# Altium PCB RockerBox_1_SiC780A_Rev01.PcbDoc (part 4 of 5) (continued)
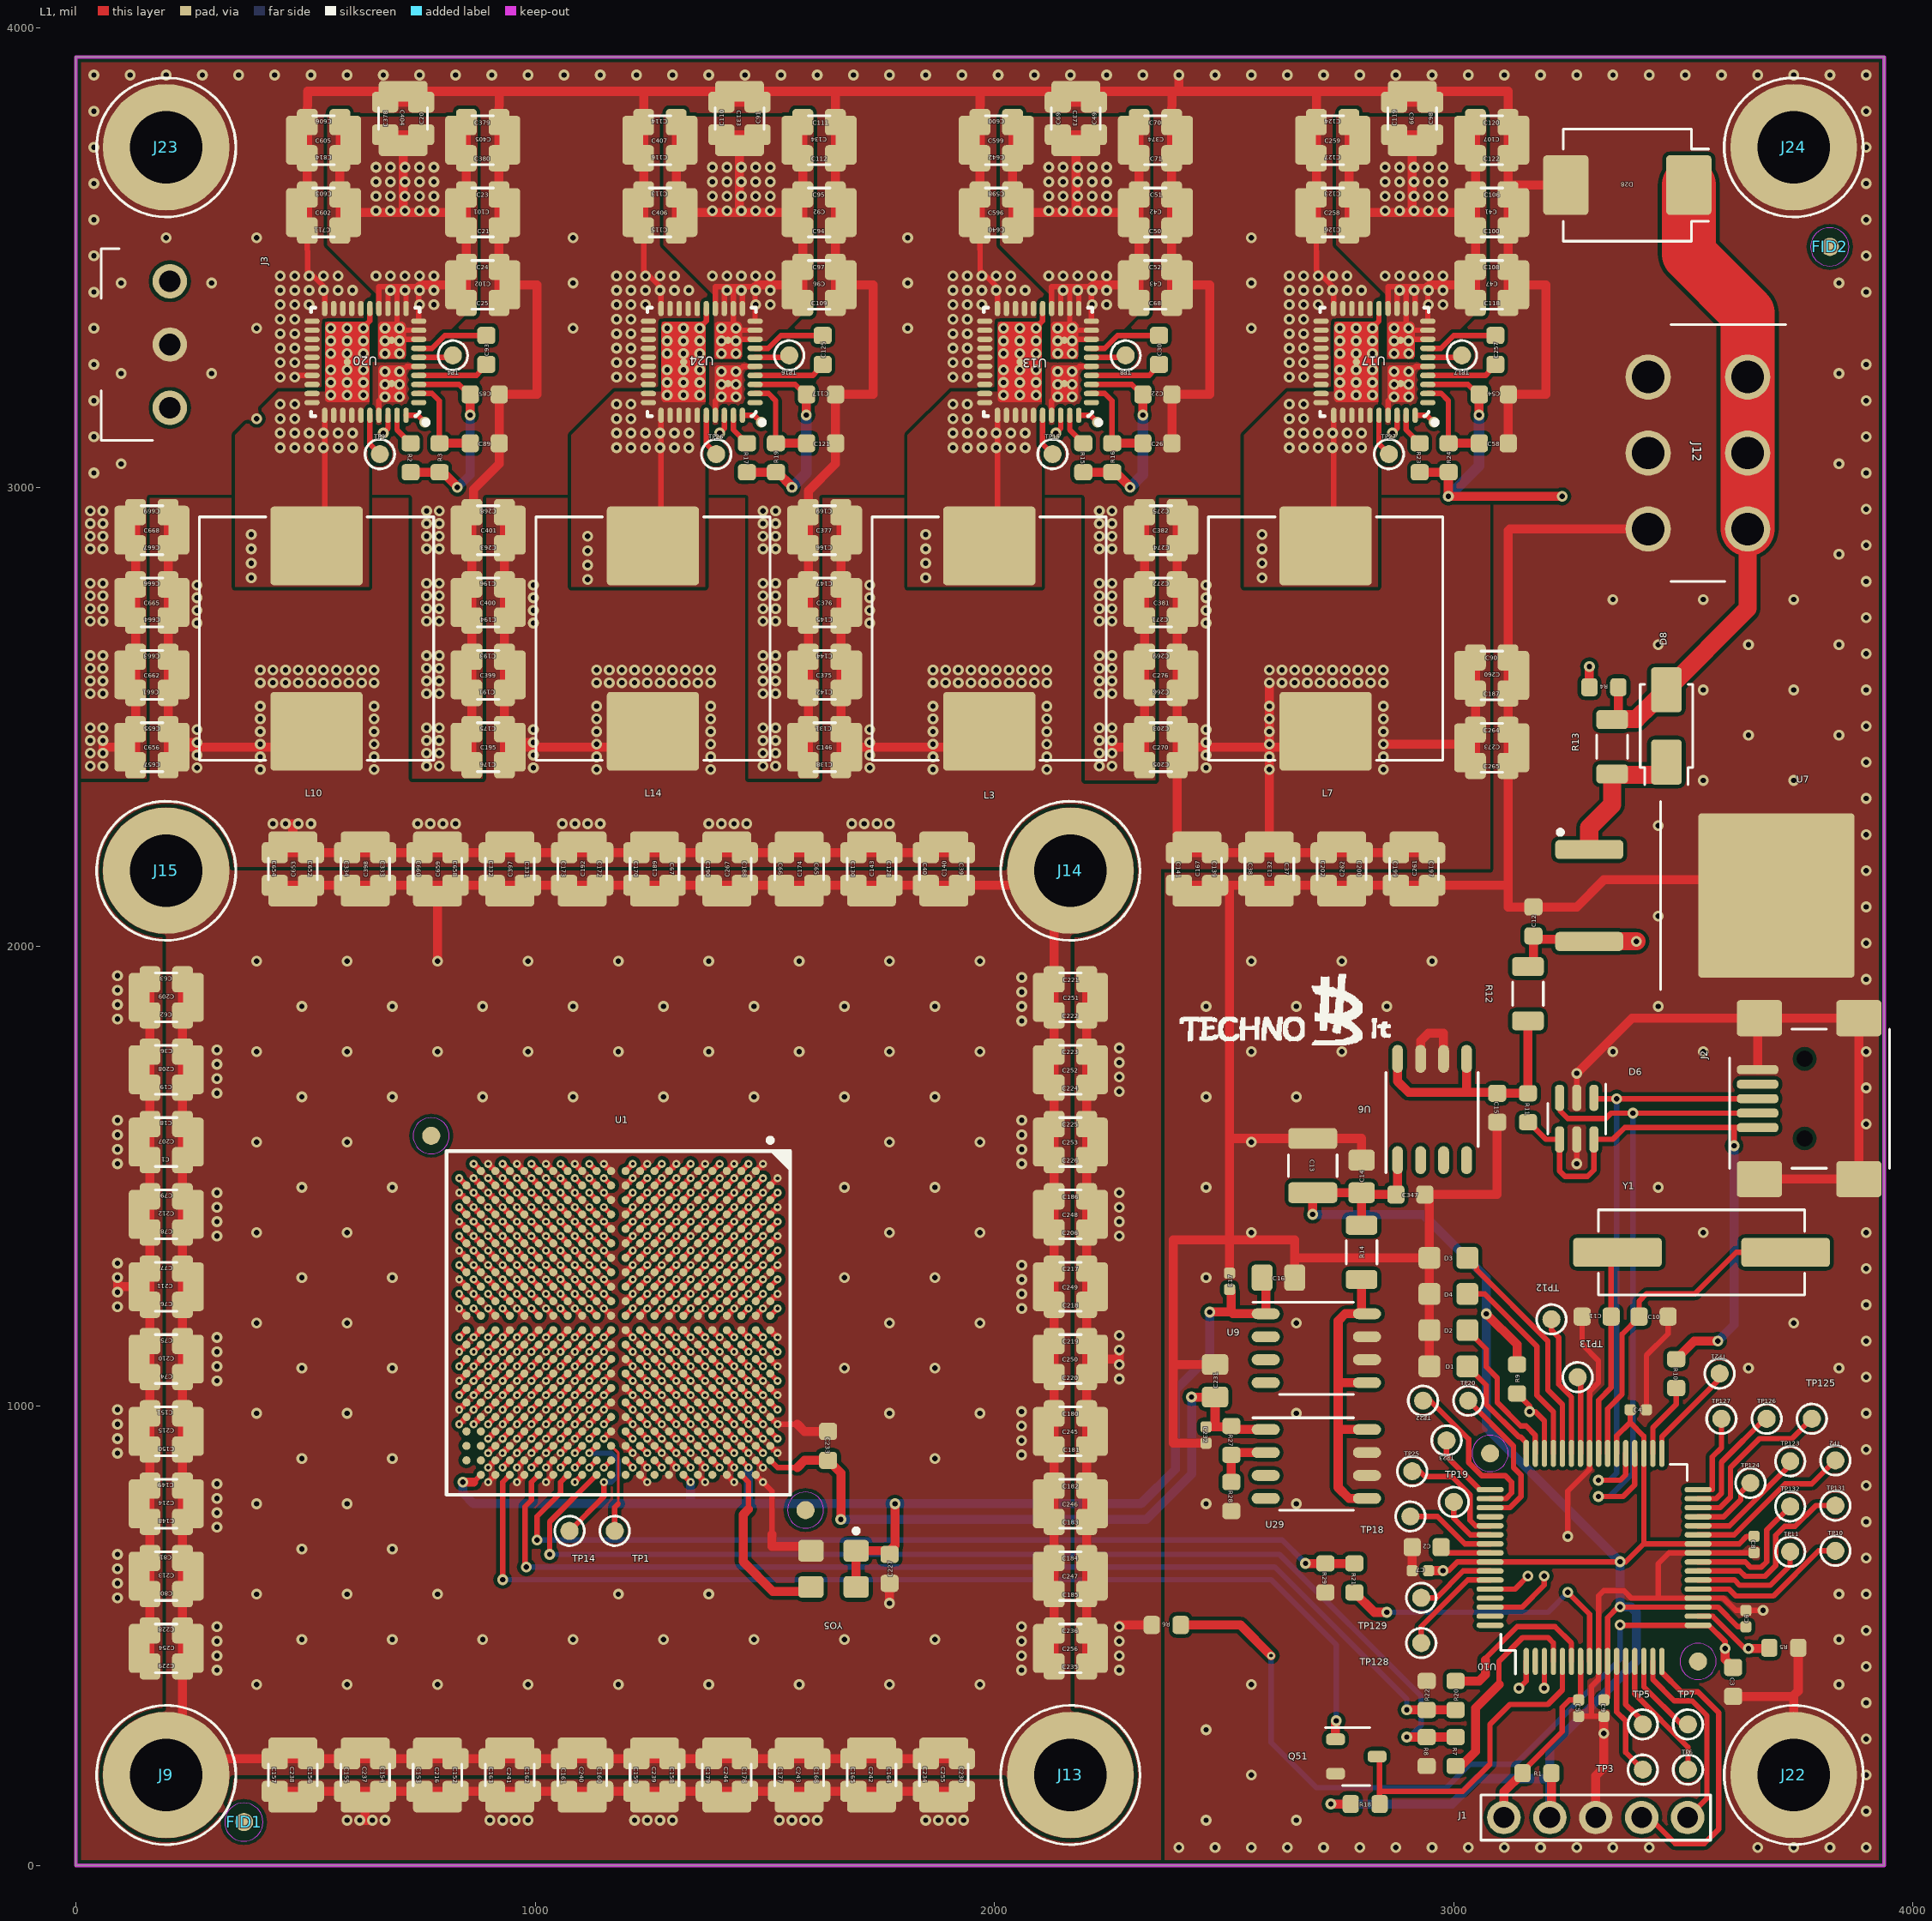
[diagram p0: L1 view]
## Nets (pads, with @x,y where several pads share a name; then routed paths per layer and width w, separated by ;. In a path a pad name is that pad's centre, name@x,y a point inside that pad or via, vN(x,y) a via of type N, cw(c..) or ccw(c..) an arc to the next point about the centre after c; other vN are vias at no path point) (continued)
  L1 w19.68: v1(59.06,2421.26) 59.06,2434.44 ; v1(59.06,2448.82) 59.06,2434.44 ; C662.1@106.43,2591.92 130.05,2591.92 ; C665.1@106.43,2749.4 130.05,2749.4 ; C668.1@106.43,2906.88 130.05,2906.88 ; C657.2@130.05,2395.07 130.05,2434.44 ; C669.2@130.05,2946.25 130.05,2906.88 ; J9.1@196.85,196.85 J9.1@232.28,232.28 ; C63.1@232.28,1929.13 232.28,1889.76 ; C254.1@255.91,472.44 232.28,472.44 ; C213.1@255.91,629.92 232.28,629.92 ; C214.1@255.91,787.4 232.28,787.4 ; C215.1@255.91,944.88 232.28,944.88 ; C210.1@255.91,1102.36 232.28,1102.36 ; C211.1@255.91,1259.84 232.28,1259.84 ; C212.1@255.91,1417.32 232.28,1417.32 ; C207.1@255.91,1574.8 232.28,1574.8 ; C208.1@255.91,1732.28 232.28,1732.28 ; C209.1@255.91,1889.76 232.28,1889.76 ; C654.2@433.07,2133.86 472.44,2133.86 ; C238.1@472.44,255.91 472.44,232.28 ; C653.1@472.44,2110.24 472.44,2133.86 ; C602.1@480.31,3598.43 504.39,3599.99 ; C605.1@480.31,3755.91 504.39,3757.47 ; C711.2@503.94,3559.06 504.37,3598.16 504.39,3599.99 ; C237.1@629.92,255.91 629.92,232.28 ; C398.1@629.92,2110.24 629.92,2133.86 ; C378.2@673.23,3838.58 712.6,3838.58 ; C20.2@751.97,3838.58 712.6,3838.58 ; C216.1@787.4,255.91 787.4,232.28 ; v1(787.4,1968.5) C659.1@787.4,2110.24 787.4,2133.86 ; C195.1@838.71,2434.44 862.33,2434.44 ; C399.1@838.71,2591.92 862.33,2591.92 ; C400.1@838.71,2749.4 862.33,2749.4 ; C401.1@838.71,2906.88 862.33,2906.88 ; C176.2@862.33,2395.07 862.33,2434.44 ; C25.2@921.26,3401.57 921.26,3440.94 ; C241.1@944.88,255.91 944.88,232.28 ; C397.1@944.88,2110.24 944.88,2133.86 ; C101.1@944.88,3598.43 921.26,3598.43 ; C405.1@944.88,3755.91 921.26,3755.91 ; C240.1@1102.36,255.91 1102.36,232.28 ; C192.1@1102.36,2110.24 1102.36,2133.86 ; C406.1@1212.6,3598.43 1236.67,3599.99 ; C407.1@1212.6,3755.91 1236.67,3757.47 ; C115.2@1236.22,3559.06 1236.65,3598.16 1236.67,3599.99 ; 1236.57,3862.2 C133.1@1444.88,3862.2 ; C239.1@1259.84,255.91 1259.84,232.28 ; C189.1@1259.84,2110.24 1259.84,2133.86 ; C110.2@1405.51,3838.58 1444.88,3838.58 ; C244.1@1417.32,255.91 1417.32,232.28 ; C267.1@1417.32,2110.24 1417.32,2133.86 ; C91.2@1484.25,3838.58 1444.88,3838.58 ; 1515.75,720.47 1515.75,694.88 1592.52,694.88 1592.52,692.91 YO5.2@1600.39,685.04 ; C146.1@1570.99,2434.44 1594.61,2434.44 ; C375.1@1570.99,2591.92 1594.61,2591.92 ; C376.1@1570.99,2749.4 1594.61,2749.4 ; C377.1@1570.99,2906.88 1594.61,2906.88 ; 1571.06,960.63 1586.81,944.88 C233.1@1637.8,944.88 ; C243.1@1574.8,255.91 1574.8,232.28 ; C174.1@1574.8,2110.24 1574.8,2133.86 ; C138.2@1594.61,2395.07 1594.61,2434.44 ; C109.2@1653.54,3401.57 1653.54,3440.94 ; C92.1@1677.17,3598.43 1653.54,3598.43 ; C134.1@1677.17,3755.91 1653.54,3755.91 ; C242.1@1732.28,255.91 1732.28,232.28 ; C143.1@1732.28,2110.24 1732.28,2133.86 ; v1(1771.65,570.87) C227.1@1771.65,614.17 ; C255.1@1889.76,255.91 1889.76,232.28 ; C140.1@1889.76,2110.24 1889.76,2133.86 ; C230.1@1929.13,232.28 1889.76,232.28 ; C596.1@1944.88,3598.43 1968.96,3599.99 ; C599.1@1944.88,3755.91 1968.96,3757.47 ; C640.2@1968.5,3559.06 1968.93,3598.16 1968.96,3599.99 ; 1968.85,3862.17 C600.2@1968.5,3795.28 1968.96,3757.47 ; C256.1@2106.3,472.44 2129.92,472.44 ; C247.1@2106.3,629.92 2129.92,629.92 ; C246.1@2106.3,787.4 2129.92,787.4 ; C245.1@2106.3,944.88 2129.92,944.88 ; C250.1@2106.3,1102.36 2129.92,1102.36 ; C249.1@2106.3,1259.84 2129.92,1259.84 ; C248.1@2106.3,1417.32 2129.92,1417.32 ; C253.1@2106.3,1574.8 2129.92,1574.8 ; C252.1@2106.3,1732.28 2129.92,1732.28 ; C251.1@2106.3,1889.76 2129.92,1889.76 ; C235.1@2129.92,433.07 2129.92,472.44 ; C69.2@2137.8,3838.58 2177.17,3838.58 ; J14.1@2165.35,2165.35 2161.42,2165.35 J14.1@2129.92,2133.86 ; C49.2@2216.54,3838.58 2177.17,3838.58 ; v1(2255.91,2421.26) 2255.91,2434.44 ; v1(2255.91,2448.82) 2255.91,2434.44 ; C276.1@2303.28,2591.92 2326.9,2591.92 ; C381.1@2303.28,2749.4 2326.9,2749.4 ; C382.1@2303.28,2906.88 2326.9,2906.88 ; C205.2@2326.9,2395.07 2326.9,2434.44 ; C275.2@2326.9,2946.25 2326.9,2906.88 ; C68.2@2385.83,3401.57 2385.83,3440.94 ; C26.2@2386.28,3096.05 C22.1@2386.28,3202.35 2468.5,3202.35 2468.5,3440.94 C43.1@2409.45,3440.94 2385.83,3440.94 ; C141.2@2401.57,2133.77 2440.94,2133.77 ; v1(2401.57,3897.64) 2401.57,3862.2 ; C42.1@2409.45,3598.43 2385.83,3598.43 ; C374.1@2409.45,3755.91 2385.83,3755.91 ; C167.1@2440.94,2110.15 2440.94,2133.77 ; C232.2@2460.63,919.29 2389.76,919.29 2389.76,1090.55 ; C231.2@2480.31,1090.55 2389.76,1090.55 ; C17.2@2511.81,1289.37 2511.81,1362.2 ; C132.1@2598.42,2110.15 2598.42,2133.77 ; C16.2@2653.54,1279.53 2653.54,1322.83 ; C258.1@2677.17,3598.43 2701.24,3599.99 ; C259.1@2677.17,3755.91 2701.24,3757.47 ; C126.2@2700.79,3559.06 2701.22,3598.16 2701.24,3599.99 ; C262.1@2755.91,2110.24 2755.91,2133.86 ; C14.2@2799.21,1535.43 2799.21,1582.68 2511.81,1582.68 ; C119.2@2870.08,3838.58 2909.45,3838.58 ; C7.2@2909.45,641.73 C2.2@2909.45,692.91 ; C261.1@2913.39,2110.24 2913.39,2133.86 ; U6.7@2927.76,1755.91 2927.76,1795.08 2944.88,1812.2 2977.76,1812.2 U6.6@2977.76,1755.91 ; C347.2@2937.01,1460.63 C347.2@2946.85,1460.63 ; D1.1@2946.85,1086.61 D2.1@2946.85,1165.35 D4.1@2946.85,1244.09 D3.1@2946.85,1322.83 ; C98.2@2948.82,3838.58 2909.45,3838.58 ; C15.2@3094.49,1618.11 3094.49,1460.63 C347.2@2946.85,1460.63 ; C118.2@3118.11,3401.57 3118.11,3440.94 ; C58.2@3118.56,3096.05 C54.1@3118.56,3202.35 3200.79,3202.35 3200.79,3440.94 C47.1@3141.73,3440.94 3118.11,3440.94 ; C273.1@3141.73,2433.07 3118.11,2433.07 ; C260.1@3141.73,2590.55 3118.11,2590.55 ; C41.1@3141.73,3598.43 3118.11,3598.43 ; C107.1@3141.73,3755.91 3118.11,3755.91 ; D28.2@3243.98,3658.13 C106.2@3118.11,3658.13 ; v1(3267.72,1724.41) 3387.8,1844.49 J2.6@3661.42,1844.49 ; J1.3@3309.06,104.33 3309.06,194.88 3326.77,212.6 v1(3326.77,287.4) C9.2@3326.77,324.8 ; J12.6@3423.23,2909.45 3122.05,2909.45 3118.11,2905.51 C90.2@3118.11,2629.92 3118.11,2590.55 ; C3.2@3608.27,368.11 3740.16,368.11 ; J2.5@3661.42,1732.28 J2.6@3661.42,1844.49 ; J2.9@3665.35,1494.09 J2.8@3881.89,1494.09 J2.7@3881.89,1844.49 J2.6@3665.35,1844.49 J2.6@3661.42,1844.49 ; U7.4@3702.32,2111.54 3702.32,2145.67 3326.97,2145.67 3267.91,2086.61 C12.2@3173.43,2086.61 3118.11,2086.61 3118.11,2133.86 ; J22.1@3740.16,196.85 3740.16,368.11 ; R5.1@3749.85,473.87 3749.85,379.92 3740.16,370.23 3740.16,368.11 ; 59.06,2434.44 C656.1@106.43,2434.44 130.05,2434.44 ; 130.05,2434.44 C655.2@130.05,2473.81 C661.2@130.05,2552.55 130.05,2591.92 ; 130.05,2591.92 C663.2@130.05,2631.29 C664.2@130.05,2710.03 130.05,2749.4 ; 130.05,2749.4 C666.2@130.05,2788.77 C667.2@130.05,2867.51 130.05,2906.88 ; J9.1@232.28,232.28 232.28,472.44 ; J9.1@232.28,232.28 C157.1@433.07,232.28 472.44,232.28 ; 232.28,472.44 232.28,629.92 ; 232.28,629.92 232.28,787.4 ; 232.28,787.4 232.28,944.88 ; 232.28,944.88 232.28,1102.36 ; 232.28,1102.36 232.28,1259.84 ; 232.28,1259.84 232.28,1417.32 ; 232.28,1417.32 232.28,1574.8 ; 232.28,1574.8 232.28,1732.28 ; 232.28,1732.28 232.28,1889.76 ; 472.44,232.28 C156.1@511.81,232.28 C155.1@590.55,232.28 629.92,232.28 ; 472.44,2133.86 629.92,2133.86 ; 504.39,3599.99 C603.2@503.94,3637.8 C814.2@503.94,3716.54 504.37,3755.64 504.39,3757.47 ; 504.39,3757.47 C606.2@503.94,3795.28 504.28,3862.2 C404.1@712.6,3862.2 ; 629.92,232.28 C154.1@669.29,232.28 C153.1@748.03,232.28 787.4,232.28 ; 629.92,2133.86 787.4,2133.86 ; 712.6,3838.58 C404.1@712.6,3862.2 ; C404.1@712.6,3862.2 921.26,3862.2 921.6,3862.2 ; 787.4,232.28 C152.1@826.77,232.28 C163.1@905.51,232.28 944.88,232.28 ; 787.4,2133.86 944.88,2133.86 ; 862.33,2434.44 C175.2@862.33,2473.81 C191.2@862.33,2552.55 862.33,2591.92 ; 862.33,2591.92 C193.2@862.33,2631.29 C194.2@862.33,2710.03 862.33,2749.4 ; 862.33,2749.4 C196.2@862.33,2788.77 C263.2@862.33,2867.51 862.33,2906.88 ; 862.33,2906.88 C268.2@862.33,2946.25 866.14,2950.06 866.14,2995.61 921.71,3051.18 C89.2@921.71,3096.05 C85.1@921.71,3202.35 1003.94,3202.35 1003.94,3440.94 C102.1@944.88,3440.94 921.26,3440.94 ; 921.26,3440.94 921.26,3598.43 ; 921.26,3598.43 921.26,3755.91 ; 921.26,3755.91 C379.2@921.26,3795.28 921.6,3862.2 ; 921.6,3862.2 1236.56,3862.2 C114.2@1236.22,3795.28 1236.67,3757.47 ; 944.88,232.28 C162.1@984.25,232.28 C161.1@1062.99,232.28 1102.36,232.28 ; 944.88,2133.86 1102.36,2133.86 ; 1102.36,232.28 C160.1@1141.73,232.28 C159.1@1220.47,232.28 1259.84,232.28 ; 1102.36,2133.86 1259.84,2133.86 ; 1236.67,3599.99 C113.2@1236.22,3637.8 C116.2@1236.22,3716.54 1236.65,3755.64 1236.67,3757.47 ; 1259.84,232.28 C158.1@1299.21,232.28 C179.1@1377.95,232.28 1417.32,232.28 ; 1259.84,2133.86 1417.32,2133.86 ; 1417.32,232.28 C178.1@1456.69,232.28 C177.1@1535.43,232.28 1574.8,232.28 ; 1417.32,2133.86 1574.8,2133.86 ; 1444.88,3838.58 C133.1@1444.88,3862.2 ; C133.1@1444.88,3862.2 1653.54,3862.2 1653.89,3862.2 ; 1574.8,232.28 C168.1@1614.17,232.28 C165.1@1692.91,232.28 1732.28,232.28 ; 1574.8,2133.86 1732.28,2133.86 ; 1594.61,2434.44 C142.2@1594.61,2552.55 1594.61,2591.92 ; 1594.61,2591.92 1594.61,2749.4 ; 1594.61,2749.4 1594.61,2906.88 ; 1594.61,2906.88 1594.61,2992.25 1653.67,3051.31 1653.67,3095.73 C121.2@1653.99,3096.05 C117.1@1653.99,3202.35 1736.22,3202.35 1736.22,3440.94 C96.1@1677.17,3440.94 1653.54,3440.94 ; 1653.54,3440.94 C97.2@1653.54,3480.31 C94.2@1653.54,3559.06 1653.54,3598.43 ; 1653.54,3598.43 C95.2@1653.54,3637.8 C112.2@1653.54,3716.54 1653.54,3755.91 ; 1653.54,3755.91 C111.2@1653.54,3795.28 1653.89,3862.2 ; 1653.89,3862.2 1968.82,3862.2 C373.1@2177.17,3862.2 ; 1732.28,232.28 C164.1@1771.65,232.28 C234.1@1850.39,232.28 1889.76,232.28 ; 1732.28,2133.86 1889.76,2133.86 ; 1889.76,2133.86 J14.1@2129.92,2133.86 ; 1968.96,3599.99 C598.2@1968.5,3637.8 C642.2@1968.5,3716.54 1968.93,3755.64 1968.96,3757.47 ; 2129.92,472.44 C236.1@2129.92,511.81 C185.1@2129.92,590.55 2129.92,629.92 ; 2129.92,629.92 C184.1@2129.92,669.29 C183.1@2129.92,748.03 2129.92,787.4 ; 2129.92,787.4 C182.1@2129.92,826.77 C181.1@2129.92,905.51 2129.92,944.88 ; 2129.92,944.88 C180.1@2129.92,984.25 C220.1@2129.92,1062.99 2129.92,1102.36 ; 2129.92,1102.36 C219.1@2129.92,1141.73 C218.1@2129.92,1220.47 2129.92,1259.84 ; 2129.92,1259.84 C217.1@2129.92,1299.21 C206.1@2129.92,1377.95 2129.92,1417.32 ; 2129.92,1417.32 C186.1@2129.92,1456.69 C226.1@2129.92,1535.43 2129.92,1574.8 ; 2129.92,1574.8 C225.1@2129.92,1614.17 C224.1@2129.92,1692.91 2129.92,1732.28 ; 2129.92,1732.28 C223.1@2129.92,1771.65 C222.1@2129.92,1850.39 2129.92,1889.76 ; 2129.92,1889.76 C221.1@2129.92,1929.13 J14.1@2129.92,2133.86 ; 2177.17,3838.58 C373.1@2177.17,3862.2 ; C373.1@2177.17,3862.2 2385.83,3862.2 2386.17,3862.2 ; 2255.91,2434.44 C270.1@2303.28,2434.44 2326.9,2434.44 ; 2326.9,2434.44 C203.2@2326.9,2473.81 C266.2@2326.9,2552.55 2326.9,2591.92 ; 2326.9,2591.92 C269.2@2326.9,2631.29 C271.2@2326.9,2710.03 2326.9,2749.4 ; 2326.9,2749.4 C272.2@2326.9,2788.77 C274.2@2326.9,2867.51 2326.9,2906.88 ; 2385.83,3440.94 C52.2@2385.83,3480.31 C50.2@2385.83,3559.06 2385.83,3598.43 ; 2385.83,3598.43 C51.2@2385.83,3637.8 C71.2@2385.83,3716.54 2385.83,3755.91 ; 2385.83,3755.91 C70.2@2385.83,3795.28 2386.17,3862.2 ; 2386.17,3862.2 2401.57,3862.2 ; 2389.76,1090.55 2389.76,1362.2 2511.81,1362.2 ; 2401.57,3862.2 2701.13,3862.2 ; 2440.94,2133.77 C139.2@2480.31,2133.77 2511.81,2133.77 ; 2511.81,1362.2 2653.54,1362.2 2653.54,1322.83 ; 2511.81,1362.2 2511.81,1582.68 ; 2511.81,1582.68 2511.81,2133.77 ; 2511.81,2133.77 C38.2@2559.05,2133.77 2598.42,2133.77 ; 2598.42,2133.77 C37.2@2637.79,2133.77 2716.45,2133.77 C202.2@2716.54,2133.86 2755.91,2133.86 ; 2653.54,1322.83 D3.1@2946.85,1322.83 ; 2701.14,3862.2 C99.1@2909.45,3862.2 ; 2701.13,3862.2 C124.2@2700.79,3795.28 2701.24,3757.47 ; 2701.24,3599.99 C123.2@2700.79,3637.8 C127.2@2700.79,3716.54 2701.22,3755.64 2701.24,3757.47 ; 2755.91,2133.86 2913.39,2133.86 ; 2909.45,3838.58 C99.1@2909.45,3862.2 ; C99.1@2909.45,3862.2 3118.11,3862.2 3118.45,3862.2 C120.2@3118.11,3795.28 3118.11,3755.91 ; 2913.39,2133.86 3118.11,2133.86 ; D3.1@2946.85,1322.83 C347.2@2946.85,1460.63 ; 3118.11,2133.86 C265.2@3118.11,2393.7 3118.11,2433.07 ; 3118.11,2433.07 C264.2@3118.11,2472.44 C187.2@3118.11,2551.18 3118.11,2590.55 ; 3118.11,3440.94 C108.2@3118.11,3480.31 C100.2@3118.11,3559.06 3118.11,3598.43 ; 3118.11,3598.43 C106.2@3118.11,3637.8 C106.2@3118.11,3658.13 ; C106.2@3118.11,3658.13 C122.2@3118.11,3716.54 3118.11,3755.91
  other v1: 2401.57,39.37 2480.31,39.37 2559.06,39.37 2637.8,39.37 2716.54,39.37 2795.28,39.37 2874.02,39.37 2952.76,39.37 3031.5,39.37 3110.24,39.37 3188.98,39.37 3267.72,39.37 3346.46,39.37 3425.2,39.37 3661.42,39.37 3740.16,39.37 3818.9,39.37 3897.64,39.37 2460.63,98.43 2657.48,98.43 3897.64,118.11 2559.06,196.85 3897.64,196.85 3897.64,275.59 2460.63,295.28 3897.64,354.33 393.7,393.7 590.55,393.7 787.4,393.7 984.25,393.7 1181.1,393.7 1377.95,393.7 1574.8,393.7 1771.65,393.7 1968.5,393.7 2559.06,393.7 3838.58,393.7 307.09,425.2 2059.06,425.2 3897.64,433.07 307.09,456.69 2059.06,456.69 307.09,488.19 2059.06,488.19 492.13,492.13 688.98,492.13 885.83,492.13 1082.68,492.13 1279.53,492.13 1476.38,492.13 1673.23,492.13 1870.08,492.13 3838.58,492.13 3897.64,511.81 307.09,519.69 2059.06,519.69 393.7,590.55 590.55,590.55 787.4,590.55 1181.1,590.55 1377.95,590.55 3838.58,590.55 3897.64,590.55 3897.64,669.29 492.13,688.98 688.98,688.98 307.09,736.22 3897.64,748.03 307.09,767.72 393.7,787.4 590.55,787.4 2460.63,787.4 2657.48,787.4 307.09,799.21 3897.64,826.77 307.09,830.71 492.13,885.83 688.98,885.83 1870.08,885.83 2059.06,893.7 3897.64,905.51 2059.06,925.2 2059.06,956.69 393.7,984.25 590.55,984.25 1771.65,984.25 1968.5,984.25 2657.48,984.25 3897.64,984.25 2059.06,988.19 307.28,1055.12 3897.64,1062.99 492.13,1082.68 688.98,1082.68 1673.23,1082.68 1870.08,1082.68 3641.73,1082.68 3838.58,1082.68 307.28,1086.61 307.28,1118.11 3897.64,1141.73 307.28,1149.61 393.7,1181.1 590.55,1181.1 1771.65,1181.1 1968.5,1181.1 2657.48,1181.1 3740.16,1181.1 2059.25,1212.6 3897.64,1220.47 2059.25,1244.09 2059.25,1275.59 492.13,1279.53 688.98,1279.53 1673.23,1279.53 1870.08,1279.53 2460.63,1279.53 3897.64,1299.21 2059.25,1307.09 307.28,1370.08 393.7,1377.95 590.55,1377.95 1771.65,1377.95 1968.5,1377.95 2559.06,1377.95 3543.31,1377.95 3897.64,1377.95 307.28,1401.57 307.28,1433.07 307.28,1464.57 492.13,1476.38 688.98,1476.38 1673.23,1476.38 1870.08,1476.38 2460.63,1476.38 3444.88,1476.38 2059.25,1527.56 2059.25,1559.06 393.7,1574.8 590.55,1574.8 1771.65,1574.8 1968.5,1574.8 2559.06,1574.8 2059.25,1590.55 3897.64,1614.17 2059.25,1622.05 492.13,1673.23 688.98,1673.23 885.83,1673.23 1082.68,1673.23 1279.53,1673.23 1476.38,1673.23 1673.23,1673.23 1870.08,1673.23 2460.63,1673.23 2657.48,1673.23 307.28,1681.1 3897.64,1692.91 307.28,1712.6 307.28,1744.09 393.7,1771.65 590.55,1771.65 787.4,1771.65 984.25,1771.65 1181.1,1771.65 1377.95,1771.65 1574.8,1771.65 1771.65,1771.65 1968.5,1771.65 2559.06,1771.65 2755.91,1771.65 3346.46,1771.65 3543.31,1771.65 3897.64,1771.65 307.28,1775.59 2059.25,1838.58 492.13,1870.08 688.98,1870.08 885.83,1870.08 1082.68,1870.08 1279.53,1870.08 1476.38,1870.08 1673.23,1870.08 1870.08,1870.08 2059.25,1870.08 2460.63,1870.08 2657.48,1870.08 2854.33,1870.08 3444.88,1870.08 2059.25,1901.57 3897.64,1929.13 2059.25,1933.07 393.7,1968.5 590.55,1968.5 984.25,1968.5 1181.1,1968.5 1377.95,1968.5 1574.8,1968.5 1771.65,1968.5 1968.5,1968.5 2559.06,1968.5 2755.91,1968.5 2952.76,1968.5 3897.64,2007.87 3444.88,2066.93 3897.64,2086.61 3897.64,2165.35 3897.64,2244.09 3444.88,2263.78 3897.64,2322.83 3543.31,2362.2 3740.16,2362.2 31.5,2393.7 59.06,2393.7 763.78,2393.7 791.34,2393.7 1496.06,2393.7 1523.62,2393.7 2228.35,2393.7 2255.91,2393.7 3897.64,2401.57 31.5,2421.26 763.78,2421.26 791.34,2421.26 1496.06,2421.26 1523.62,2421.26 2228.35,2421.26 31.5,2448.82 763.78,2448.82 791.34,2448.82 1496.06,2448.82 1523.62,2448.82 2228.35,2448.82 3641.73,2460.63 3838.58,2460.63 31.5,2476.38 59.06,2476.38 763.78,2476.38 791.34,2476.38 1496.06,2476.38 1523.62,2476.38 2228.35,2476.38 2255.91,2476.38 3897.64,2480.31 31.5,2551.18 59.06,2551.18 763.78,2551.18 791.34,2551.18 1496.06,2551.18 1523.62,2551.18 2228.35,2551.18 2255.91,2551.18 3543.31,2559.06 3740.16,2559.06 3897.64,2559.06 31.5,2578.74 59.06,2578.74 763.78,2578.74 791.34,2578.74 1496.06,2578.74 1523.62,2578.74 2228.35,2578.74 2255.91,2578.74 31.5,2606.3 59.06,2606.3 763.78,2606.3 791.34,2606.3 1496.06,2606.3 1523.62,2606.3 2228.35,2606.3 2255.91,2606.3 31.5,2633.86 59.06,2633.86 763.78,2633.86 791.34,2633.86 1496.06,2633.86 1523.62,2633.86 2228.35,2633.86 2255.91,2633.86 3897.64,2637.8 3444.88,2657.48 3641.73,2657.48 3838.58,2657.48 31.5,2708.66 59.06,2708.66 763.78,2708.66 791.34,2708.66 1496.06,2708.66 1523.62,2708.66 2228.35,2708.66 2255.91,2708.66 3897.64,2716.54 31.5,2736.22 59.06,2736.22 763.78,2736.22 791.34,2736.22 1496.06,2736.22 1523.62,2736.22 2228.35,2736.22 2255.91,2736.22 3346.46,2755.91 3543.31,2755.91 3740.16,2755.91 31.5,2763.78 59.06,2763.78 763.78,2763.78 791.34,2763.78 1496.06,2763.78 1523.62,2763.78 2228.35,2763.78 2255.91,2763.78 31.5,2791.34 59.06,2791.34 763.78,2791.34 791.34,2791.34 1496.06,2791.34 1523.62,2791.34 2228.35,2791.34 2255.91,2791.34 3897.64,2795.28 3838.58,2854.33 31.5,2866.14 59.06,2866.14 763.78,2866.14 791.34,2866.14 1496.06,2866.14 1523.62,2866.14 2228.35,2866.14 2255.91,2866.14 3897.64,2874.02 31.5,2893.7 59.06,2893.7 763.78,2893.7 791.34,2893.7 1496.06,2893.7 1523.62,2893.7 2228.35,2893.7 2255.91,2893.7 31.5,2921.26 59.06,2921.26 763.78,2921.26 791.34,2921.26 1496.06,2921.26 1523.62,2921.26 2228.35,2921.26 2255.91,2921.26 31.5,2948.82 59.06,2948.82 763.78,2948.82 791.34,2948.82 1496.06,2948.82 1523.62,2948.82 2228.35,2948.82 2255.91,2948.82 3897.64,2952.76 39.37,3031.5 3897.64,3031.5 98.43,3051.18 3838.58,3051.18 39.37,3110.24 3897.64,3110.24 393.7,3149.61 39.37,3188.98 3897.64,3188.98 673.23,3196.85 704.72,3196.85 1405.51,3196.85 1437.01,3196.85 2137.8,3196.85 2169.29,3196.85 2870.08,3196.85 2901.57,3196.85 673.23,3224.41 704.72,3224.41 1405.51,3224.41 1437.01,3224.41 2137.8,3224.41 2169.29,3224.41 2870.08,3224.41 2901.57,3224.41 444.88,3240.16 1177.17,3240.16 1208.66,3240.16 1909.45,3240.16 1940.94,3240.16 2641.73,3240.16 2673.23,3240.16 98.43,3248.03 295.28,3248.03 3838.58,3248.03 673.23,3251.97 704.72,3251.97 1405.51,3251.97 1437.01,3251.97 2137.8,3251.97 2169.29,3251.97 2870.08,3251.97 2901.57,3251.97 39.37,3267.72 3897.64,3267.72 444.88,3271.65 476.38,3271.65 1177.17,3271.65 1208.66,3271.65 1909.45,3271.65 1940.94,3271.65 2641.73,3271.65 2673.23,3271.65 444.88,3303.15 476.38,3303.15 1177.17,3303.15 1208.66,3303.15 1909.45,3303.15 1940.94,3303.15 2641.73,3303.15 2673.23,3303.15 444.88,3334.65 476.38,3334.65 1177.17,3334.65 1208.66,3334.65 1909.45,3334.65 1940.94,3334.65 2641.73,3334.65 2673.23,3334.65 39.37,3346.46 393.7,3346.46 1082.68,3346.46 1811.02,3346.46 2559.06,3346.46 444.88,3366.14 476.38,3366.14 1177.17,3366.14 1208.66,3366.14 1909.45,3366.14 1940.94,3366.14 2641.73,3366.14 2673.23,3366.14 444.88,3397.64 476.38,3397.64 507.87,3397.64 1177.17,3397.64 1208.66,3397.64 1240.16,3397.64 1909.45,3397.64 1940.94,3397.64 1972.44,3397.64 2641.73,3397.64 2673.23,3397.64 2704.72,3397.64 39.37,3425.2 3897.64,3425.2 444.88,3429.13 476.38,3429.13 507.87,3429.13 539.37,3429.13 570.87,3429.13 602.36,3429.13 1177.17,3429.13 1208.66,3429.13 1240.16,3429.13 1271.65,3429.13 1303.15,3429.13 1334.65,3429.13 1909.45,3429.13 1940.94,3429.13 1972.44,3429.13 2003.94,3429.13 2035.43,3429.13 2066.93,3429.13 2641.73,3429.13 2673.23,3429.13 2704.72,3429.13 2736.22,3429.13 2767.72,3429.13 2799.21,3429.13 98.43,3444.88 295.28,3444.88 1082.68,3444.88 1811.02,3444.88 2559.06,3444.88 3838.58,3444.88 444.88,3460.63 476.38,3460.63 507.87,3460.63 539.37,3460.63 570.87,3460.63 1177.17,3460.63 1208.66,3460.63 1240.16,3460.63 1271.65,3460.63 1303.15,3460.63 1909.45,3460.63 1940.94,3460.63 1972.44,3460.63 2003.94,3460.63 2035.43,3460.63 2641.73,3460.63 2673.23,3460.63 2704.72,3460.63 2736.22,3460.63 2767.72,3460.63 39.37,3503.94 3897.64,3503.94 196.85,3543.31 393.7,3543.31 1082.68,3543.31 1811.02,3543.31 2559.06,3543.31 39.37,3582.68 3897.64,3582.68 39.37,3661.42 3897.64,3661.42 39.37,3740.16 3897.64,3740.16 39.37,3818.9 3897.64,3818.9 39.37,3897.64 118.11,3897.64 196.85,3897.64 275.59,3897.64 354.33,3897.64 433.07,3897.64 511.81,3897.64 590.55,3897.64 669.29,3897.64 748.03,3897.64 826.77,3897.64 905.51,3897.64 984.25,3897.64 1062.99,3897.64 1141.73,3897.64 1220.47,3897.64 1299.21,3897.64 1377.95,3897.64 1456.69,3897.64 1535.43,3897.64 1614.17,3897.64 1692.91,3897.64 1771.65,3897.64 1850.39,3897.64 1929.13,3897.64 2007.87,3897.64 2086.61,3897.64 2165.35,3897.64 2244.09,3897.64 2322.83,3897.64 2480.31,3897.64 2559.06,3897.64 2637.8,3897.64 2716.54,3897.64 2795.28,3897.64 2874.02,3897.64 2952.76,3897.64 3031.5,3897.64 3110.24,3897.64 3188.98,3897.64 3267.72,3897.64 3346.46,3897.64 3425.2,3897.64 3503.94,3897.64 3582.68,3897.64 3661.42,3897.64 3740.16,3897.64 3818.9,3897.64 3897.64,3897.64
GREEN: D2.2 U10.47 | length 336.6
  L1 w11.81: D2.2@3029.53,1165.35 3038.07,1156.81 3070.87,1124.02 3070.87,1085.26 3094.49,1061.64 3094.49,1007.87 3145.67,956.69 3157.48,956.69 3177.46,936.71 U10.47@3177.46,896.97
LDO3.3V-5.0V: R14.1 U9.5 U9.8 U29.5 U29.8 | length 704.6
  L1 w19.68: R14.1@2799.21,1275.59 U9.8@2799.21,1200.98 ; U29.5@2811.02,799.03 2810.84,799.21 2771.85,799.21 2748.23,822.83 2748.23,949.02 ; U29.8@2811.02,949.02 2748.23,949.02 ; U9.5@2811.02,1051 2748.23,1051 ; U9.8@2811.02,1200.98 U9.8@2799.21,1200.98 ; 2748.23,949.02 2748.23,1051 ; 2748.23,1051 2748.23,1185.24 2763.98,1200.98 U9.8@2799.21,1200.98
LDO5.0V: C15.1 R11.1 R12.2 U6.5 U6.8 | length 573.7
  L1 w19.68: U6.8@2877.76,1755.91 2877.76,1706.89 2901.57,1683.07 3027.74,1683.07 ; U6.5@3027.74,1755.91 3027.74,1683.07 ; R12.2@3161.42,1838.58 R11.1@3161.42,1681.1 C15.1@3094.49,1681.1 3092.52,1683.07 3027.74,1683.07
LM12V: D8.1 R13.1 U7.1 | length 331.4
  L1 w39.37: U7.1@3294.84,2211.54 3294.84,2259.4 3344.79,2309.36 R13.1@3344.79,2374.02 ; R13.1@3344.79,2376.25 R13.1@3344.79,2374.02 ; D8.1@3462.93,2401.91 3462.93,2374.02 R13.1@3344.79,2374.02
"MAIN OSC IN": C10.1 U10.39 Y1.1 | length 722.7
  L1 w11.81: U10.39@3334.94,896.97 3334.94,994.39 3366.14,1025.59 3366.14,1156.5 3366.46,1156.81 3403.54,1193.9 C10.1@3403.54,1194.88 3403.54,1228.35 3419.29,1244.09 3524.59,1244.09 3615.14,1334.65 Y1.1@3722.44,1334.65
"MAIN OSC OUT": C11.1 U10.40 Y1.2 | length 454.7
  L1 w11.81: U10.40@3315.26,896.97 3315.26,1013.09 3342.52,1040.35 C11.1@3342.52,1194.88 3342.52,1320.87 Y1.2@3356.3,1334.65
MCLR: C5.1 J1.1 R1.1 U10.7 | length 423
  L1 w11.81: R1.1@3149.61,200.79 3149.61,204.72 3236.22,291.34 3236.22,344.49 3251.97,360.24 C5.1@3271.65,360.24 3275.89,360.24 U10.7@3275.89,444.21
  L1 w19.68: J1.1@3109.06,104.33 3109.06,160.24 R1.1@3149.61,200.79
MCU5.0V: R10.2 U10.34 | length 163.5
  L1 w11.81: U10.34@3433.37,896.97 3433.37,953.05 3484.25,1003.94 R10.2@3484.25,1039.37
MEAS12: R4.2 R5.2 U10.18 | length 2594.4
  L1 w11.81: U10.18@3531.79,542.64 3563.66,542.64 3633.86,472.44 v1(3641.73,472.44)
  L1 w19.68: R4.2@3295.22,2565.06 v1(3295.28,2610.24) v1(3295.28,2610.24) ; v1(3641.73,472.44) 3686.28,472.44 R5.2@3686.86,473.87
  L3 w11.81: v1(3295.28,2610.24) 3220.47,2535.43 3220.47,858.27 3570.87,507.87 3602.36,507.87 3637.8,472.44 v1(3641.73,472.44)
NetC26_1: C26.1 R16.2 U13.2 | length 211
  L1 w11.81: U13.2@2211.08,3204.32 2240.16,3204.32 2255.91,3188.57 2255.91,3096.5 R16.2@2256.36,3096.05
  L1 w19.68: R16.2@2256.36,3096.05 C26.1@2323.29,3096.05
NetC30_1: C30.1 U13.4 | length 158
  L1 w11.81: U13.4@2211.08,3243.69 2337.07,3243.69 C30.1@2358.27,3267.72
NetC30_2: C30.2 U13.7 | length 158.8
  L1 w11.81: U13.7@2211.08,3302.74 2239.75,3302.74 2267.72,3330.71 C30.2@2358.27,3330.71
NetC58_1: C58.1 R24.2 U17.2 | length 211
  L1 w11.81: U17.2@2943.36,3204.32 2972.44,3204.32 2988.19,3188.57 2988.19,3096.5 R24.2@2988.64,3096.05
  L1 w19.68: R24.2@2988.64,3096.05 C58.1@3055.57,3096.05
NetC89_1: C89.1 R3.2 U20.2 | length 211
  L1 w11.81: U20.2@746.51,3204.32 775.59,3204.32 791.34,3188.57 791.34,3096.5 R3.2@791.79,3096.05
  L1 w19.68: R3.2@791.79,3096.05 C89.1@858.72,3096.05
NetC93_1: C93.1 U20.4 | length 158
  L1 w11.81: U20.4@746.51,3243.69 872.5,3243.69 C93.1@893.7,3267.72
NetC93_2: C93.2 U20.7 | length 158.8
  L1 w11.81: U20.7@746.51,3302.74 775.18,3302.74 803.15,3330.71 C93.2@893.7,3330.71
NetC121_1: C121.1 R19.2 U24.2 | length 211
  L1 w11.81: U24.2@1478.8,3204.32 1507.87,3204.32 1523.62,3188.57 1523.62,3096.5 R19.2@1524.07,3096.05
  L1 w19.68: R19.2@1524.07,3096.05 C121.1@1591,3096.05
NetC125_1: C125.1 U24.4 | length 158
  L1 w11.81: U24.4@1478.8,3243.69 1604.78,3243.69 C125.1@1625.98,3267.72
NetC125_2: C125.2 U24.7 | length 158.8
  L1 w11.81: U24.7@1478.8,3302.74 1507.47,3302.74 1535.43,3330.71 C125.2@1625.98,3330.71
NetC257_1: C257.1 U17.4 | length 158
  L1 w11.81: U17.4@2943.36,3243.69 3069.35,3243.69 C257.1@3090.55,3267.72
NetC257_2: C257.2 U17.7 | length 158.8
  L1 w11.81: U17.7@2943.36,3302.74 2972.03,3302.74 3000,3330.71 C257.2@3090.55,3330.71
NetR2_1: R2.1 U20.39 | length 73.3
  L1 w11.81: U20.39@699.27,3157.07 699.27,3125.58 R2.1@728.8,3096.05
NetR15_1: R15.1 U13.39 | length 73.3
  L1 w11.81: U13.39@2163.84,3157.07 2163.84,3125.58 R15.1@2193.36,3096.05
NetR17_1: R17.1 U24.39 | length 73.3
  L1 w11.81: U24.39@1431.55,3157.07 1431.55,3125.58 R17.1@1461.08,3096.05
NetR23_1: R23.1 U17.39 | length 73.3
  L1 w11.81: U17.39@2896.12,3157.07 2896.12,3125.58 R23.1@2925.65,3096.05
NetR27_2: R27.2 R28.1 U29.2 | length 136.1
  L1 w19.68: R28.1@2515.75,834.65 R27.2@2515.75,893.7 2521.06,899.02 U29.2@2590.55,899.02
NetTP1_1: TP1.1 U1.M20 | length 194.8
  L1 w5.12: 1181.1,787.4 1181.1,897.64
  L1 w5.91: U1.M20@1165.35,913.39 1181.1,897.64
  L1 w11.81: TP1.1@1173.23,728.35 1173.23,779.53 1181.1,787.4
NetTP2_1: TP2.1 U10.27 | length 366.1
  L1 w11.81: U10.27@3531.79,719.81 3610.24,719.81 3721.14,830.71 3779.53,830.71 3791.63,842.81 TP2.1@3830.71,881.89
NetTP3_1: TP3.1 U10.11 | length 259.1
  L1 w11.81: U10.11@3354.63,444.21 3354.63,334.35 3374.02,314.96 3374.02,246.06 TP3.1@3411.42,208.66
NetTP4_1: TP4.1 U20.6 | length 78.7
  L1 w11.81: U20.6@746.51,3283.06 820.87,3283.06 TP4.1@820.87,3287.4
NetTP5_1: TP5.1 U10.12 | length 153
  L1 w11.81: U10.12@3374.31,444.21 3374.31,350.39 3411.42,314.96 TP5.1@3411.42,307.09
NetTP6_1: TP6.1 U10.13 | length 283.5
  L1 w11.81: U10.13@3394,444.21 3394,373.72 3509.84,257.87 TP6.1@3509.84,208.66
NetTP7_1: TP7.1 U10.14 | length 185
  L1 w11.81: U10.14@3413.68,444.21 3413.68,389.47 3496.06,307.09 TP7.1@3509.84,307.09
NetTP8_1: TP8.1 U13.6 | length 78.7
  L1 w11.81: U13.6@2211.08,3283.06 2285.43,3283.06 TP8.1@2285.43,3287.4
NetTP9_1: TP9.1 U20.36 | length 93.6
  L1 w11.81: U20.36@640.21,3157.07 640.21,3094.08 TP9.1@661.87,3072.43
NetTP10_1: TP10.1 U10.21 | length 345.9
  L1 w11.81: U10.21@3531.79,601.69 3599.09,601.69 3614.17,586.61 3695.87,586.61 3794.29,685.04 TP10.1@3830.71,685.04
NetTP11_1: TP11.1 U10.22 | length 252.9
  L1 w11.81: U10.22@3531.79,621.38 3610.9,621.38 3622.44,609.84 3688.58,609.84 3732.28,653.54 TP11.1@3732.28,683.07
NetTP12_1: TP12.1 U10.43 | length 310.1
  L1 w11.81: TP12.1@3212.6,1188.98 3212.6,1165.35 3228.35,1149.61 3228.35,1047.24 3256.2,1019.39 U10.43@3256.2,896.97
NetTP13_1: TP13.1 U10.42 | length 168.6
  L1 w11.81: TP13.1@3269.68,1062.99 3275.89,1056.79 U10.42@3275.89,896.97
NetTP14_1: TP14.1 U1.N20 | length 298.6
  L1 w11.81: TP14.1@1074.8,728.35 1149.61,803.15 v2(1149.61,834.65) ; v2(1118.11,897.64) U1.N20@1133.86,913.39
  L4 w11.81: v2(1118.11,897.64) 1165.35,897.64 1181.1,881.89 1181.1,850.39 1165.35,834.65 v2(1149.61,834.65)
NetTP15_1: TP15.1 U13.36 | length 93.6
  L1 w11.81: U13.36@2104.78,3157.07 2104.78,3094.08 TP15.1@2126.44,3072.43
NetTP16_1: TP16.1 U24.6 | length 78.7
  L1 w11.81: U24.6@1478.8,3283.06 1553.15,3283.06 TP16.1@1553.15,3287.4
NetTP17_1: TP17.1 U17.6 | length 78.7
  L1 w11.81: U17.6@2943.36,3283.06 3017.72,3283.06 TP17.1@3017.72,3287.4
NetTP18_1: TP18.1 U10.55 | length 198.3
  L1 w11.81: TP18.1@2905.51,759.84 2964.57,759.84 3024.29,700.12 U10.55@3079.04,700.12
NetTP19_1: TP19.1 U10.54 | length 129.6
  L1 w11.81: TP19.1@3000,791.34 2999.76,791.09 2999.76,756.15 3036.1,719.81 U10.54@3079.04,719.81
NetTP20_1: TP20.1 U10.51 | length 333.6
  L1 w11.81: TP20.1@3031.5,1011.81 3129.92,913.39 3129.95,866.17 3146.34,849.86 3146.34,803.15 3122.05,778.86 U10.51@3079.04,778.86
NetTP21_1: TP21.1 U10.33 | length 226
  L1 w11.81: U10.33@3453.05,896.97 3453.05,933.37 3578.74,1059.06 TP21.1@3578.74,1070.87
NetTP22_1: TP22.1 U10.50 | length 372
  L1 w11.81: TP22.1@2933.07,1011.81 2948.82,1011.81 3032.48,928.15 3032.48,876.97 3061.02,848.43 3112.2,848.43 3125.98,834.65 3125.98,811.02 3113.51,798.55 U10.50@3079.04,798.55
NetTP23_1: TP23.1 U10.49 | length 159.1
  L1 w11.81: TP23.1@2984.25,925.2 2984.25,891.06 3057.09,818.23 U10.49@3079.04,818.23
NetTP25_1: TP25.1 U10.53 | length 251.5
  L1 w11.81: TP25.1@2909.45,858.27 2925.2,858.27 2937.01,846.46 2996.06,846.46 3035.43,807.09 3035.43,751.3 3047.24,739.49 U10.53@3079.04,739.49
NetTP26_1: TP26.1 U24.36 | length 93.6
  L1 w11.81: U24.36@1372.5,3157.07 1372.5,3094.08 TP26.1@1394.15,3072.43
NetTP27_1: TP27.1 U17.36 | length 93.6
  L1 w11.81: U17.36@2837.07,3157.07 2837.07,3094.08 TP27.1@2858.72,3072.43
NetTP123_1: TP123.1 U10.28 | length 266.6
  L1 w11.81: U10.28@3531.79,739.49 3599.81,739.49 3736.26,875.94 TP123.1@3732.28,879.92
NetTP124_1: TP124.1 U10.29 | length 153.3
  L1 w11.81: U10.29@3531.79,759.18 3587.47,759.18 3624.78,796.48 3624.78,811.78 TP124.1@3645.67,832.68
NetTP125_1: TP125.1 U10.30 | length 365.5
  L1 w11.81: U10.30@3531.79,778.86 3579.32,778.86 3602.36,801.91 3602.36,866.14 3665.35,929.13 3736.22,929.13 TP125.1@3779.53,972.44
NetTP126_1: TP126.1 U10.31 | length 262.7
  L1 w11.81: U10.31@3531.79,798.55 3571.15,798.55 3582.68,810.08 3582.68,877.95 3679.13,974.41 TP126.1@3681.1,972.44
NetTP127_1: TP127.1 U10.32 | length 193.6
  L1 w11.81: U10.32@3531.79,818.23 3562.99,818.23 3562.99,889.47 3582.68,909.15 TP127.1@3582.68,972.44
NetTP128_1: TP128.1 U10.59 | length 227.5
  L1 w11.81: TP128.1@2929.13,484.25 2929.13,519.69 3030.83,621.38 U10.59@3079.04,621.38
NetTP129_1: TP129.1 U10.58 | length 174.1
  L1 w11.81: TP129.1@2929.13,582.68 2962.2,582.68 3020.59,641.06 U10.58@3079.04,641.06
NetTP131_1: TP131.1 U10.23 | length 405.8
  L1 w11.81: U10.23@3531.79,641.06 3622.71,641.06 3634.25,629.53 3677.3,629.53 3700.79,653.01 3700.79,718.5 3720.47,738.19 3742.86,738.19 3788.13,783.46 TP131.1@3830.71,783.46
NetTP132_1: TP132.1 U10.24 | length 300.6
  L1 w11.81: U10.24@3531.79,660.75 3634.53,660.75 3646.06,649.21 3669.15,649.21 3681.1,661.17 3681.1,730.31 TP132.1@3732.28,781.5
ORANGE: D4.2 U10.45 | length 446.6
  L1 w11.81: D4.2@3029.53,1244.09 3066.93,1244.09 3181.1,1129.92 3181.1,1023.62 3216.83,987.89 U10.45@3216.83,896.97
PGC: J1.5 U10.15 | length 428.7
  L1 w11.81: U10.15@3433.37,444.21 3433.37,404.84 3479.94,358.27 3518.5,358.27 3551.18,325.59 3551.18,146.46 J1.5@3509.06,104.33
PGD: J1.4 U10.16 | length 642.1
  L1 w11.81: J1.4@3409.06,104.33 3411.02,102.36 3427.17,102.36 3482.28,47.24 3545.28,47.24 3576.77,78.74 3576.77,332.68 3531.5,377.95 3495.69,377.95 3453.05,420.59 U10.16@3453.05,444.21
PLL_OSC_CLK_11: U1.C22 YO5.3 | length 380.2
  L1 w11.81: U1.C22@1448.82,850.39 1464.57,834.65 1464.57,775.79
  L1 w19.68: 1464.57,775.79 1452.76,763.98 1452.76,661.42 1517.72,596.46 1592.52,596.46 1592.52,598.43 YO5.3@1600.39,606.3
PWM1L: U10.60 U13.40 | length 3544.7
  L1 w11.81: U13.40@2183.52,3157.07 2209.07,3157.07 v1(2224.41,3141.73) ; U10.60@3079.04,601.69 3133.86,601.69 3133.86,602.36 v1(3161.42,629.92)
  L3 w11.81: v1(2224.41,3141.73) 2291.34,3074.8 2570.87,3074.8 2586.61,3059.06 3110.24,3059.06 3149.61,3019.68 3149.61,1066.93 3110.24,1027.56 3110.24,681.1 v1(3161.42,629.92)
PWM2L: U10.62 U17.40 | length 2910.8
  L1 w11.81: U17.40@2915.81,3157.07 2941.35,3157.07 v1(2956.69,3141.73) ; U10.62@3079.04,562.32 3148.94,562.32 3196.85,610.24 v1(3196.85,629.92)
  L3 w11.81: v1(2956.69,3141.73) 3015.75,3082.68 3122.05,3082.68 3173.23,3031.5 3173.23,1055.12 3133.86,1015.75 3133.86,708.66 3196.85,645.67 v1(3196.85,629.92)
PWM3H: U10.1 U20.40 | length 5177.7
  L1 w11.81: U20.40@718.96,3157.07 744.5,3157.07 v1(759.84,3141.73) ; v1(3141.73,385.83) 3157.48,401.57 3157.78,401.57 U10.1@3157.78,444.21
  L3 w11.81: v1(759.84,3141.73) 791.34,3141.73 905.51,3027.56 2543.31,3027.56 2559.06,3011.81 3086.61,3011.81 3102.36,2996.06 3102.36,1090.55 3059.06,1047.24 3059.06,468.5 v1(3141.73,385.83)